# Allegro board BRD_05101_01_rev_b01_aa.brd (continued)
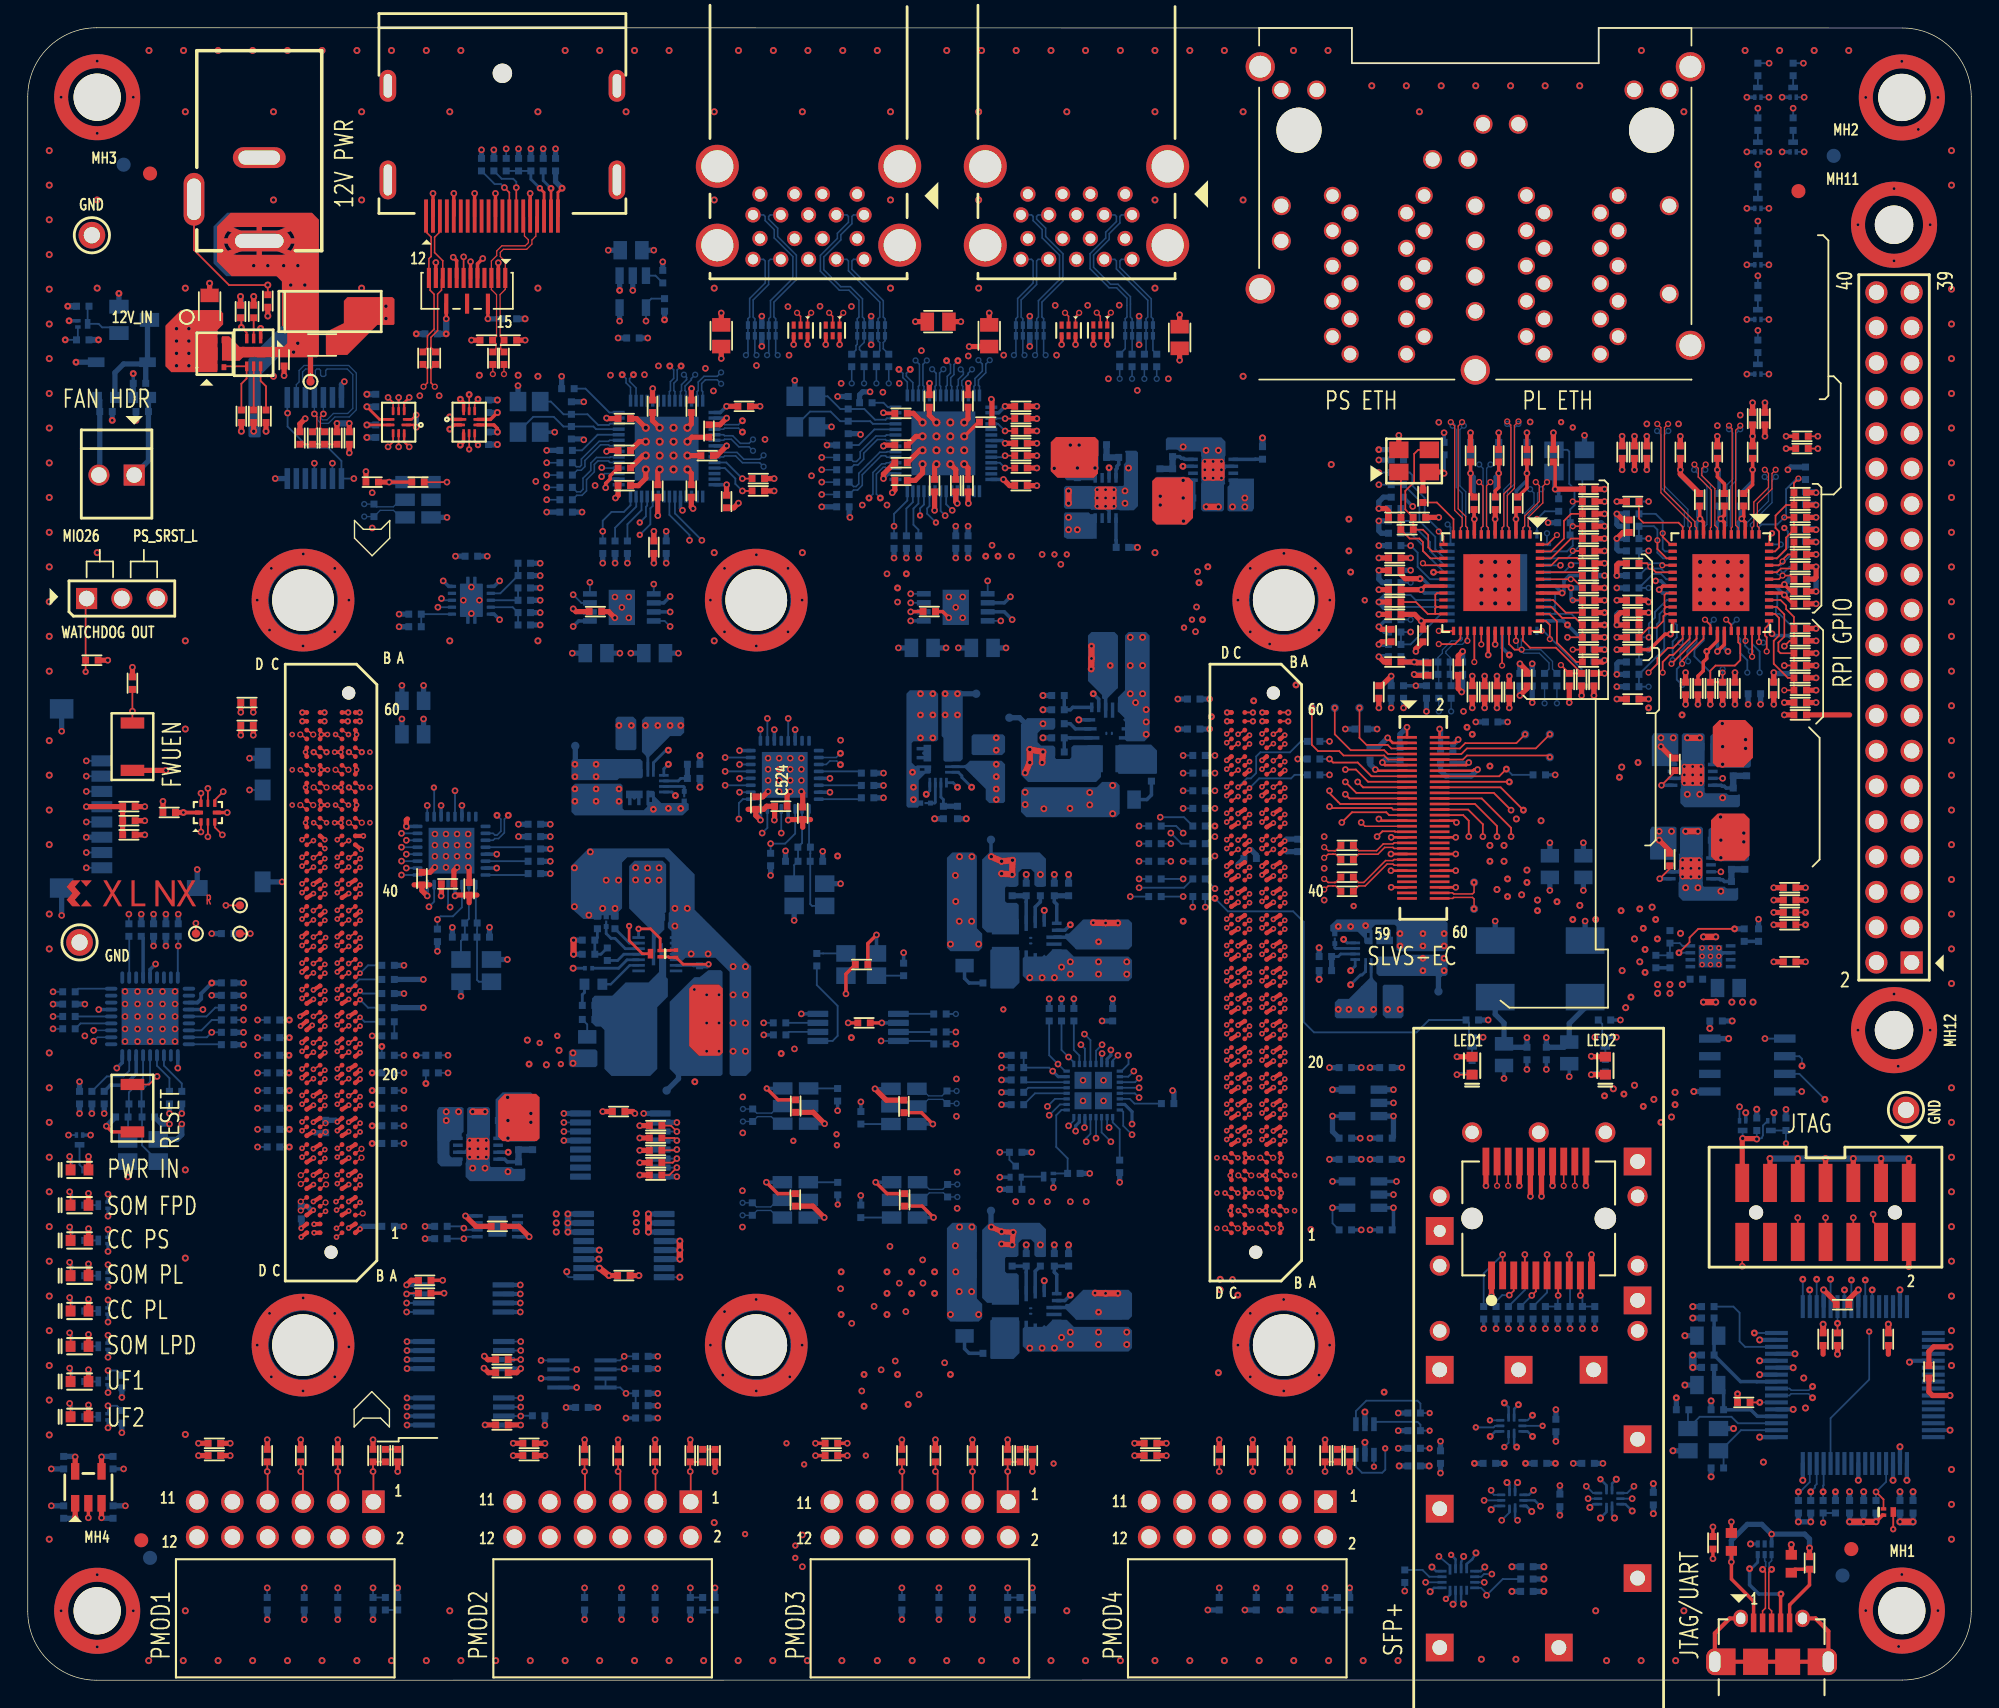
[diagram p0: board, top side]
## Routing (per net, layer and track width the routed paths; a pad name or vN(x,y) marks a point on that pad's centre or on a via; arc(x,y) is an arc through that point) (continued)
USB0_USB3320_D_P: length 70.9
  L03_SIG w0.112: v2(33.8,62.28) 34.08,62.56 34.08,67.08 39.06,72.06 52.14,72.06 58.24,78.16 58.24,88.94 57.73,89.45 54.89,89.45 54,88.57 51.5,88.57 49.09,90.98 43.84,90.98 43.35,90.49 43.35,87.83 43.14,87.62 43.14,87.44 43.32,87.25 43.32,87.07 43.19,86.94 43.01,86.94 42.82,87.12 42.64,87.12 42.39,86.87 41.53,86.87 v5(41.33,86.67)
  BOTTOM w0.114: U43.45 41.55,86.89 v5(41.33,86.67) ; U37.18 33.52,60.99 33.65,60.86 33.81,60.86 34.08,61.14 34.08,62 v2(33.8,62.28)
USB0_VBUS2: length 2.7
  TOP w0.254: X6.6 v5(56.17,96.19)
  TOP w0.381: C274.1 v5(63.94,97.84)
  BOTTOM w0.254: v5(46.27,76.93) U45.7
USB0_VBUS3: length 2.9
  TOP w0.254: X5.6 v5(58.48,96.19)
  TOP w0.381: C272.1 v5(49.96,98.46)
  BOTTOM w0.254: U45.6 45.81,77.58 v5(46.27,78.04)
USB1_ATEST: length 3.8
  BOTTOM w0.132: R441.1 59.86,88.95 60.99,90.07 U84.52
USB1_CFG_BC_EN: length 3.5
  BOTTOM w0.132: R438.1 64.16,82.43 64.16,82.85 63.8,83.21 63.8,84.37 64.16,84.73 U84.40
USB1_CFG_NON_REM: length 3.4
  BOTTOM w0.132: R439.1 63.29,84.37 63.76,84.84 U84.41
USB1_D1_N: length 28.9
  TOP w0.114: v3(75.74,98.47) 75.48,98.21 X8.1
  L03_SIG w0.112: v2(63.57,94.4) 63.29,94.68 63.29,98.3 64.16,99.17 69.51,99.17 71.76,96.91 74.31,96.91 75.36,97.96 75.36,98.36 75.47,98.47 v3(75.74,98.47) 75.37,98.84 75.37,100.38 74.58,101.18 74.58,102.62 75.78,103.82 U46.11
  BOTTOM w0.114: v2(63.57,94.4) 63.29,94.12 63.29,93.91 63.76,93.44 U84.2
USB1_D1_P: length 28.9
  TOP w0.114: v3(74.72,98.47) 74.98,98.22 X8.2
  L03_SIG w0.112: v2(62.76,94.4) 63.04,94.68 63.04,95.07 62.91,95.21 62.71,95.21 62.58,95.34 62.58,95.52 62.71,95.65 62.91,95.65 63.04,95.78 63.04,95.97 62.91,96.1 62.71,96.1 62.58,96.23 62.58,96.42 62.71,96.55 62.91,96.55 63.04,96.68 63.04,98.41 64.06,99.42 69.61,99.42 71.87,97.17 74.2,97.17 75.1,98.07 75.1,98.36 74.99,98.47 v3(74.72,98.47) 75.12,98.87 75.12,100.28 74.32,101.07 74.32,102.72 74.55,102.95 U46.12
  BOTTOM w0.114: U84.1 63.36,93.49 63.04,93.81 63.04,94.12 v2(62.76,94.4)
USB1_D2_N: length 33.6
  TOP w0.114: v3(78.02,98.48) 77.76,98.22 X7.1
  L03_SIG w0.112: U46.2 75.79,107.02 75.68,106.91 75.68,106.75 76.22,106.2 76.8,106.2 77.16,106.56 78.21,106.56 78.67,106.1 78.67,104.87 78.13,104.33 78.13,103.44 78.67,102.91 78.67,101.21 77.64,100.18 77.64,98.87 v3(78.02,98.48) 77.76,98.48 77.64,98.37 77.64,98.11 76.24,96.71 76.24,95.57 75.11,94.44 72.25,94.44 69.88,96.81 66.97,96.81 66.72,96.56 66.72,95.3 v2(67,95.02)
  BOTTOM w0.114: v2(67,95.02) 66.72,94.74 66.72,94.03 66.49,93.79 66.49,93.25 66.56,93.18 U84.9
USB1_D2_P: length 33.6
  TOP w0.114: v3(77.01,98.48) 77.26,98.23 X7.2
  L03_SIG w0.112: U46.3 75.31,107.02 75.42,106.91 75.42,106.65 76.12,105.95 76.9,105.95 77.26,106.31 78.1,106.31 78.41,106 78.41,104.97 77.88,104.44 77.88,103.34 78.41,102.8 78.41,101.32 77.38,100.29 77.38,98.85 v3(77.01,98.48) 77.28,98.48 77.39,98.37 77.39,98.21 75.99,96.81 75.99,95.67 75.01,94.69 72.35,94.69 69.98,97.06 66.86,97.06 66.47,96.67 66.47,95.3 v2(66.19,95.02)
  BOTTOM w0.114: U84.8 66.16,93.18 66.23,93.25 66.23,93.89 66.47,94.13 66.47,94.74 v2(66.19,95.02)
USB1_HUB_I2C_SCK: length 63.6
  TOP w0.132: R58.2 46.23,36.38 v5(46.76,36.91)
  L05_SIG w0.102: v5(46.76,36.91) 49.1,39.26 49.1,44.21 48.41,44.9 48.41,47.49 48.94,48.03 52.6,48.03 59.99,55.42 59.99,80.69 61.01,81.71 63.76,81.71 v6(65.42,83.37)
  BOTTOM w0.127: U18.7 v5(46.76,36.91)
  BOTTOM w0.132: U84.38 64.96,84.56 64.79,84.39 64.79,84.01 v6(65.42,83.37)
USB1_HUB_I2C_SDA: length 61.5
  TOP w0.132: v5(46.76,37.56) 46.46,37.27 R63.2
  L05_SIG w0.102: v5(46.76,37.56) 48.59,39.39 48.59,43.94 47.98,44.55 47.98,47.77 48.71,48.51 52.07,48.51 59.36,55.8 59.36,81.03 60.54,82.22 62.62,82.22 v6(64.28,83.88)
  BOTTOM w0.127: U18.6 v5(46.76,37.56)
  BOTTOM w0.132: U84.39 64.56,84.67 64.28,84.39 v6(64.28,83.88)
USB1_HUB_RESET_B: length 66
  L05_SIG w0.102: v5(78.53,45) 78.15,44.62 77.26,44.62 76.75,45.13 76.75,45.89 77.01,46.15 77.01,47.16 76.75,47.42 76.75,50.34 76.63,50.47 76.63,53.51 77.21,54.1 77.21,60.45 78.91,62.15 78.91,65.71 81.45,68.25 81.45,70.15 84.71,73.4 84.71,75.54 v6(83.87,76.37)
  L12_SIG w0.102: v5(62.4,83.11) 63.8,83.11 68.25,78.66 81.58,78.66 v6(83.87,76.37)
  BOTTOM w0.127: U19.32 78.15,44.63 v5(78.53,45)
  BOTTOM w0.132: U84.42 63.36,84.95 62.4,83.99 v5(62.4,83.11) R435.2
USB1_PHY_RESET_B: length 38.7
  L12_SIG w0.102: v5(73.45,41.32) 72.44,42.34 72.44,47.16 70.79,48.81 69.01,48.81 67.48,50.34 67.48,53.13 64.63,55.99 57.26,55.99 53.51,59.74 v5(53.51,60.25)
  BOTTOM w0.127: U19.19 74,41.86 v5(73.45,41.32)
  BOTTOM w0.132: R431.2 v5(53.51,60.25) 54.56,60.25 55.28,60.97 U83.27
USB1_PRT_CTL1: length 19.3
  L03_SIG w0.102: v5(63.6,77.59) 64.55,78.53 67.85,78.53 v5(70.09,76.29)
  L05_SIG w0.102: v5(63.6,77.59) 63.17,78.03 63.17,78.73 65.96,81.52 65.96,83.74 v5(66.09,83.87)
  BOTTOM w0.127: U47.8 v5(70.09,76.29) ; U47.3 v5(63.6,77.59)
  BOTTOM w0.132: U84.36 65.76,84.19 v5(66.09,83.87)
USB1_PRT_CTL2: length 16.6
  L03_SIG w0.102: v5(69.15,79.17) 64.53,79.17 v5(63.6,78.24)
  L05_SIG w0.102: v5(66.59,84.25) 66.59,83.49 66.34,83.23 66.34,80.97 v5(63.6,78.24)
  BOTTOM w0.127: U47.4 v5(63.6,78.24) ; U47.5 v5(69.15,79.17)
  BOTTOM w0.132: v5(66.59,84.25) 66.16,84.68 U84.35
USB1_RBIAS: length 1.8
  BOTTOM w0.132: R440.1 61.64,91.99 61.96,91.67 U84.56
USB1_SSRX1_N: length 19.2
  L12_SIG w0.112: v4(71.04,95.42) 71.29,95.68 71.29,95.83 71.07,96.06 69.96,96.06 69.48,96.54 66.61,96.54 66.41,96.33 66.41,96.17 66.63,95.94 66.63,95.79 66.47,95.63 66.32,95.63 66.09,95.85 65.93,95.85 65.68,95.6 65.68,94.69 v4(65.96,94.41)
  BOTTOM w0.114: v4(65.96,94.41) 65.69,94.13 65.69,93.25 65.76,93.18 U84.7 ; v4(71.04,95.42) 71.18,95.57 U69.10 U69.1 71.18,98.05 71.31,98.17 71.31,99.5 72.42,100.62 72.42,102.21 72.31,102.32 U46.14
USB1_SSRX1_P: length 19.3
  L12_SIG w0.112: v4(71.8,95.42) 71.55,95.68 71.55,95.93 71.17,96.31 70.06,96.31 69.58,96.79 66.51,96.79 65.43,95.71 65.43,94.69 v4(65.15,94.41)
  BOTTOM w0.114: v4(65.15,94.41) 65.43,94.12 65.43,93.25 65.36,93.18 U84.6 ; U46.15 72.79,102.32 72.67,102.21 72.67,100.51 71.56,99.4 71.56,98.17 71.68,98.05 U69.2 U69.9 71.68,95.54 v4(71.8,95.42)
USB1_SSRX2_N: length 21.4
  L12_SIG w0.112: v4(69.3,95.06) 69.02,94.78 69.02,94.62 69.13,94.51 69.73,94.51 69.84,94.62 69.84,94.75 69.95,94.86 70.17,94.86 70.28,94.75 70.28,94.62 70.4,94.51 70.62,94.51 70.73,94.62 70.73,94.75 70.85,94.86 71.06,94.86 71.18,94.74 71.18,94.62 71.29,94.51 72.55,94.51 72.82,94.78 72.82,95.17 v4(72.56,95.42)
  BOTTOM w0.114: U46.5 72.31,105.52 72.42,105.41 72.42,105.12 73.07,104.46 73.07,103.87 74.32,102.62 74.32,100.86 72.81,99.35 72.81,98.17 72.68,98.05 U69.4 U69.7 72.68,95.54 v4(72.56,95.42) ; U84.14 68.56,93.18 68.49,93.25 68.49,93.63 69.02,94.16 69.02,94.78 v4(69.3,95.06)
USB1_SSRX2_P: length 21.4
  L12_SIG w0.112: v4(73.33,95.42) 73.07,95.17 73.07,94.68 72.65,94.26 69.02,94.26 68.76,94.52 68.76,94.78 v4(68.48,95.06)
  BOTTOM w0.114: U84.13 68.16,93.18 68.23,93.25 68.23,93.74 68.76,94.27 68.76,94.78 v4(68.48,95.06) ; U46.6 72.79,105.52 72.67,105.41 72.67,105.22 73.33,104.57 73.33,103.97 74.57,102.73 74.57,100.76 73.06,99.25 73.06,98.17 73.18,98.05 U69.5 U69.6 73.18,95.57 v4(73.33,95.42)
USB1_SSTX1_C_N: length 8.7
  BOTTOM w0.114: C302.1 80.56,95.61 U68.7 U68.4 80.56,98.05 80.68,98.17 80.68,99.38 78.42,101.63 78.42,102.21 78.31,102.32 U46.17
USB1_SSTX1_C_P: length 8.7
  BOTTOM w0.114: C306.1 81.06,95.76 U68.6 U68.5 81.06,98.05 80.93,98.17 80.93,99.48 78.67,101.74 78.67,102.21 78.79,102.32 U46.18
USB1_SSTX1_N: length 28.5
  L12_SIG w0.112: v4(64.77,95.04) 64.49,94.76 64.49,92.83 64.72,92.6 64.88,92.6 65.14,92.85 65.29,92.85 65.45,92.69 65.45,92.53 65.2,92.28 65.2,92.12 65.45,91.87 67.99,91.87 69.13,93.01 73.71,93.01 76.5,90.22 80.44,90.22 80.76,90.53 80.76,93.4 v4(80.44,93.72)
  BOTTOM w0.114: U84.4 64.56,93.18 64.49,93.25 64.49,94.76 v4(64.77,95.04) ; v4(80.44,93.72) C302.2
USB1_SSTX1_P: length 28.5
  L12_SIG w0.112: v4(81.33,93.72) 81.01,93.4 81.01,90.43 80.54,89.96 76.4,89.96 73.6,92.76 69.24,92.76 68.1,91.61 65.35,91.61 64.23,92.73 64.23,94.76 v4(63.95,95.04)
  BOTTOM w0.114: v4(63.95,95.04) 64.23,94.76 64.23,93.25 64.16,93.18 U84.3 ; v4(81.33,93.72) C306.2
USB1_SSTX2_C_N: length 13.2
  BOTTOM w0.114: C301.2 79.06,95.89 U68.10 U68.1 79.06,98.05 79.18,98.17 79.18,99.53 78.43,100.27 77.9,100.27 76.53,101.64 76.53,102.73 77.65,103.86 77.65,104.28 78.42,105.05 78.42,105.41 78.31,105.52 U46.8
USB1_SSTX2_C_P: length 13.1
  BOTTOM w0.114: C305.2 79.56,95.5 U68.9 U68.2 79.56,98.05 79.43,98.17 79.43,99.63 78.54,100.53 78,100.53 76.78,101.75 76.78,102.63 77.9,103.75 77.9,104.17 78.67,104.94 78.67,105.41 78.79,105.52 U46.9
USB1_SSTX2_N: length 18.7
  L12_SIG w0.112: v4(68.02,94.4) 67.67,94.05 67.67,93.92 67.29,93.53 67.29,93.18 67.54,92.92 67.98,92.92 68.32,93.26 68.32,93.41 68.18,93.55 68.18,93.7 68.34,93.86 68.5,93.86 68.63,93.73 68.79,93.73 68.81,93.75 74.49,93.75 75.57,92.68 78.64,92.68 78.98,93.02 78.98,93.4 v4(78.66,93.72)
  BOTTOM w0.114: v4(68.02,94.4) 67.74,94.12 67.74,94.03 67.29,93.57 67.29,93.25 67.36,93.18 U84.11 ; v4(78.66,93.72) C301.1
USB1_SSTX2_P: length 18.9
  L12_SIG w0.112: v4(79.55,93.72) 79.23,93.4 79.23,92.91 78.74,92.42 75.46,92.42 74.39,93.5 68.92,93.5 68.08,92.67 67.44,92.67 67.03,93.07 67.03,93.64 67.42,94.02 67.42,94.18 v4(67.21,94.4)
  BOTTOM w0.114: U84.10 66.96,93.18 67.03,93.25 67.03,93.68 67.4,94.04 67.4,94.2 v4(67.21,94.4) ; v4(79.55,93.72) C305.1
USB1_USB3320_D_N: length 27.2
  L03_SIG w0.112: v2(58.54,65.93) 58.26,66.21 58,66.21 57.2,67.02 57.2,71.37 60.88,75.06 60.88,84.86 v2(60.6,85.14)
  BOTTOM w0.114: U84.46 61.86,87.67 61.78,87.6 61.52,87.6 60.88,86.97 60.88,85.42 v2(60.6,85.14) ; v2(58.54,65.93) 58.28,66.2 57.77,66.2 57.53,65.95 U83.19
USB1_USB3320_D_P: length 27.2
  L03_SIG w0.112: v2(61.42,85.14) 61.14,84.86 61.14,84.17 61.27,84.04 61.39,84.04 61.52,83.91 61.52,83.72 61.39,83.59 61.27,83.59 61.14,83.46 61.14,83.28 61.27,83.15 61.39,83.15 61.52,83.02 61.52,82.83 61.39,82.7 61.27,82.7 61.14,82.57 61.14,74.95 57.45,71.27 57.45,67.12 58.11,66.47 58.26,66.47 v2(58.54,66.75)
  BOTTOM w0.114: U83.18 58.24,66.45 v2(58.54,66.75) ; v2(61.42,85.14) 61.13,85.42 61.13,86.86 61.62,87.35 61.78,87.35 61.86,87.27 U84.45
USB1_VBUS1: length 3.5
  TOP w0.254: X8.6 v5(75.48,96.19)
  TOP w0.381: C294.1 v5(82.98,98.33)
  BOTTOM w0.254: v5(70.91,76.37) 70.35,76.94 U47.7
USB1_VBUS2: length 3.3
  TOP w0.254: X7.6 v5(77.76,96.2)
  TOP w0.381: C293.1 v5(69.26,98.46)
  BOTTOM w0.254: v5(70.79,78.02) 70.35,77.59 U47.6
USB_JTAG_DM_N: length 37.7
  TOP w0.114: J4.2 124.97,4.99 125.17,5.19 125.17,7.78 v2(124.97,7.98)
  L03_SIG w0.112: v2(128.57,20.34) 128.29,20.62 126.54,20.62 124.89,18.97 121.84,18.97 119.81,16.94 119.81,6.78 120.82,5.76 123.02,5.76 123.15,5.89 123.15,6.1 123.28,6.23 123.47,6.23 123.6,6.1 123.6,5.89 123.73,5.76 123.92,5.76 124.05,5.89 124.05,6.1 124.18,6.23 124.36,6.23 124.49,6.1 124.49,5.89 124.62,5.76 124.89,5.76 125.17,6.04 125.17,7.78 v2(124.97,7.98)
  BOTTOM w0.114: X1.2 125.12,8.6 125.2,8.53 125.2,8.2 v2(124.97,7.98) ; v2(128.57,20.34) 128.28,20.63 127.03,20.63 126.91,20.51 U24.7
USB_JTAG_DM_P: length 37.7
  TOP w0.114: v2(125.62,7.98) 125.42,7.78 125.42,5.19 125.62,4.99 J4.3
  L03_SIG w0.112: v2(125.62,7.98) 125.42,7.78 125.42,5.94 124.99,5.51 120.72,5.51 119.55,6.67 119.55,17.04 121.73,19.22 124.78,19.22 126.43,20.87 128.29,20.87 v2(128.57,21.15)
  BOTTOM w0.114: U24.8 126.92,21.01 127.04,20.88 128.3,20.88 v2(128.57,21.15) ; v2(125.62,7.98) 125.45,8.16 125.45,8.44 125.62,8.61 X1.1
USB_JTAG_FLTR: length 2.5
  TOP w0.254: C87.1 v5(121.4,11.04) ; L4.1 v5(122.72,11.4)
  BOTTOM w0.254: C89.1 R40.1
  vias: v7(122.76,48.83) v7(123.52,48.83) v7(124.28,48.83)
USB_JTAG_VBUS: length 15.9
  TOP w0.254: J4.1 124.32,5.69 122.73,7.29 122.73,8.51 v5(122.72,8.52) L4.2
  TOP w0.381: C88.1 v7(128.35,9.53)
  BOTTOM w0.254: X1.6 v5(125.62,10.52)
  BOTTOM w0.381: v5(122.72,8.52) 122.72,10.07 123.87,11.22 124.92,11.22 v5(125.62,10.52) 128,10.52 128.35,10.17 v7(128.35,9.53)
USB_JTAG_VCORE: length 7.9
  TOP w0.381: C96.1 129.33,23.48 ; C97.1 134.03,23.48
  BOTTOM w0.305: U24.37 135.66,23.01 v7(135.56,22.91) ; U24.49 v7(135.37,14.4) ; U24.64 v7(127.87,14.4) ; U24.12 v7(124.76,23.01)
  BOTTOM w0.381: C98.1 v7(131.24,13.57) ; C95.1 v7(135.81,13.57)
USB_JTAG_VPHY: length 7.3
  BOTTOM w0.254: L2.2 122.16,20.9 C82.1 124.13,19.48 124.6,19.01 U24.4
  BOTTOM w0.305: C83.1 121.48,21.59 L2.2
USB_JTAG_VPLL: length 8.2
  BOTTOM w0.254: U24.9 125.96,21.5 124.55,21.5 124.54,21.51 123.39,21.51 C84.1 121.48,24.48 L3.2 121.48,25.14 C85.1
USB_PWRD_VCCIO: length 38.8
  TOP w0.381: C94.1 130.28,27.2 v7(129.37,28.11) ; R235.1 v7(130.37,23.48) ; C93.1 136.95,20.76 137.21,20.51 v7(138.47,20.51)
  BOTTOM w0.178: U64.7 114.13,14.17 v7(114.44,14.47) ; v2(107.26,16.79) 107.07,16.98 U71.1 ; v7(107.32,14.24) 107.14,14.06 U25.7 ; v2(108.4,17.56) 108.04,17.92 U71.10 ; U22.4 103.66,8.37 104.06,8.71 v7(104.33,9.17) ; v2(106.37,19.97) 106.67,19.66 U71.6 ; U22.3 103.26,8.51 v7(103.44,8.91) ; v2(107.38,19.84) 107.07,19.53 U71.7 ; v7(115.58,12.19) 115.09,12.68 U64.10
  BOTTOM w0.203: v7(108.34,12.15) 107.94,12.55 U25.10
  BOTTOM w0.254: R36.1 C44.1
  BOTTOM w0.305: U24.56 v7(131.87,14.4) ; U24.50 v7(134.87,16.81) ; U24.31 v7(134.87,28.11) ; U24.20 v7(129.37,28.11) ; U24.42 v7(138.47,20.51)
  BOTTOM w0.381: L2.1 v7(119.38,21.26) ; C80.1 v7(106.92,8.17) ; U26.8 v7(122.53,46.2) ; C100.1 v5(101.77,14.92) ; C86.1 v7(121.17,46.94) ; C355.1 v7(134.87,13.57) ; C90.1 v7(132.25,13.57) ; C356.1 v5(110.08,17.2) ; R75.1 v7(119.95,26.91) ; C105.1 v7(117.1,12) ; C102.1 v7(98.79,15.43) ; R233.1 v5(126.66,41.1) ; R77.1 v7(127.55,11.41) v7(128.44,11.41) R76.1 ; R234.1 v7(124.55,41.12) ; L3.1 v7(119.38,24.81) ; R267.1 v5(98.73,17.97) ; U23.5 v7(96.33,17.13) ; R74.1 v2(130.22,13.57) ; R268.1 v5(98.73,16.7) ; C99.1 v5(113.47,15.62) ; R266.1 v5(98.73,19.24) ; C101.1 v2(106.37,15.62)
  vias: v7(117.41,50.1) v7(117.41,49.47) v7(118.3,50.1) v7(118.3,49.47) v7(119.19,50.1)
UTIL_3V3: length 211
  TOP w0.381: DS5.2 v5(4.37,27.44) ; DS3.2 v5(4.37,32.52) ; C49.1 v2(41.86,29.14) ; v5(112.63,44.94) 112.67,44.9 DS10.2 ; DS4.2 v5(4.37,29.98) ; DS1.2 v5(4.37,37.71) ; DS6.2 v5(4.37,24.9) ; DS7.2 v5(4.37,22.36) ; DS9.2 v5(102.95,44.9) ; DS2.2 v5(4.37,35.06) ; DS8.2 v5(4.37,19.82)
  TOP w0.457: v7(41.17,29.68) v2(41.86,29.14) ; v7(34.59,40.31) v7(34.57,41.97) ; v7(36.24,40.18) v7(36.24,40.81)
  L03_SIG w0.254: v5(4.37,37.71) 3.69,38.4 2.59,38.4 2.13,38.85 2.13,43.82 3.04,44.73 3.04,51.03 2.31,51.76 2.31,53.6 3.5,54.79 3.5,56.86 2.79,57.57 2.79,66.82 4.02,68.05 4.02,69.78 2.46,71.33 2.46,91.87 4.11,93.52 4.11,97.72 v2(2.88,98.95)
  L05_SIG w0.381: v5(112.63,44.94) 109.51,48.05 107.87,48.05 104.72,44.9 v5(102.95,44.9) 102.95,44.86 100.38,42.28 100.38,23.41 v2(97.71,20.75) 98.27,20.19 99.31,20.19 99.88,19.62 99.88,15.29 97.16,12.57 97.16,5.72 95.94,4.49 80.35,4.49 75.85,9 75.85,10.9 72.42,14.33 58.57,14.33 57.76,15.14 57.76,17.09 59.06,18.39 59.06,22.8 60.03,23.78 60.03,29.41 55.15,34.3 v6(55.15,38.84)
  BOTTOM w0.254: v7(36.24,40.81) 35.86,40.81 35.61,41.07 TP7.1
  BOTTOM w0.381: U14.10 v7(41.17,29.68)
  BOTTOM w0.457: R260.1 v2(2.88,98.95)
  vias: v7(34.59,39.04)
WATCHDOG_CRST: length 3
  BOTTOM w0.132: U13.4 34.93,77.27 R49.2 C52.1
WATCHDOG_CWD: length 3.4
  BOTTOM w0.132: U13.2 34.04,78.27 R48.2 C51.1
WATCHDOG_SET0: length 2.9
  BOTTOM w0.132: U13.3 R47.2 R51.1
WATCHDOG_SET1: length 3.1
  BOTTOM w0.132: U13.6 R46.2 R50.1
WATCHDOG_WDO_B: length 35.6
  L12_SIG w0.102: J1.2 6.78,80.31 11.35,84.88 22.83,84.88 24.25,86.3 24.99,86.3 26.03,85.26 28.14,85.26 29.26,84.15 29.26,78.44 v5(29.8,77.9)
  BOTTOM w0.132: U13.8 29.93,77.77 v5(29.8,77.9)
N1061928: length 2.9
  BOTTOM w0.132: U22.15 100.96,7.45 100.48,7.94 R66.1
N1062590: length 7.1
  TOP w0.254: J4.4 126.27,6.19 v2(126.29,6.21)
  BOTTOM w0.203: X1.3 124.62,8.49 124.16,8.03 v2(124.03,8.03)
  BOTTOM w0.254: v2(124.03,8.03) 124.03,6.87 124.7,6.21 v2(126.29,6.21)
N1063364: length 5.9
  TOP w0.254: J4.5 126.92,5.43 128.35,6.86 C88.2 127.29,7.99 L5.2
N1063872: length 6.9
  BOTTOM w0.132: U24.14 123.71,24.01 123.31,24.41 123.31,26.46 122.87,26.91 R75.2
N1063914: length 43.5
  L05_SIG w0.102: v6(129.33,11.35) 128.32,12.37 127.52,12.37 126.5,13.38 126.5,15.11 136.41,25.02 136.41,33.66 131.71,38.35 131.2,38.35 128.32,41.24 128.32,41.87 v5(127.79,42.39)
  BOTTOM w0.132: U26.4 v5(127.79,42.39) ; v6(129.33,11.35) R78.1 R74.2
N1063918: length 46.2
  L05_SIG w0.102: v2(128.44,13.57) 138.06,23.18 138.06,37.47 136.41,39.12 132.85,39.12 130.31,41.66 130.31,42.59 129.42,43.48 128.57,43.48 v2(127.81,44.24)
  BOTTOM w0.132: U26.2 127.62,44.93 127.81,44.75 v2(127.81,44.24) ; R76.2 v2(128.44,13.57) 128.75,13.88 128.75,14.01 128.87,14.12 U24.62
N1063922: length 48.1
  L05_SIG w0.102: v5(125.14,46.2) 127.17,44.17 127.17,43.73 128.82,42.08 128.82,41.62 132.22,38.23 133.87,38.23 137.04,35.05 137.04,23.62 128.91,15.49 127.77,15.49 127.01,14.74 127.01,14.1 v2(127.55,13.57)
  BOTTOM w0.132: U24.63 128.37,14.27 127.67,13.57 127.55,13.57 v2(127.55,13.57) R77.2 ; U26.1 v5(125.14,46.2)
N1064088: length 45.9
  L05_SIG w0.102: v2(129.33,13.57) 128.76,13 128.19,13 127.99,13.2 127.99,13.81 137.55,23.38 137.55,37.08 136.03,38.61 132.68,38.61 v2(129.46,41.83)
  BOTTOM w0.132: v2(129.46,41.83) 127.62,43.66 U26.3 ; R78.2 v2(129.33,13.57) 129.33,14.01 129.37,14.05 U24.61
N1064220: length 6.2
  BOTTOM w0.132: C103.1 122.16,16.16 X2.1 121.93,16.52 123.42,18.01 U24.2
N1064316: length 8.3
  BOTTOM w0.132: U24.3 123.19,18.51 122.73,18.97 120.44,18.97 119.6,18.12 119.6,19.42 C104.1
N1064420: length 1.9
  TOP w0.132: R79.2 v2(124.77,20.01)
  BOTTOM w0.132: U24.6 v2(124.77,20.01)
N1366089: length 9
  BOTTOM w0.381: 8.5,94.79 6.9,94.79 6.28,94.16 L9.2 ; 8.5,94.79 D2.2 8.63,97.82 Q18.3 ; 8.5,94.79 8.5,94.79 C208.2
N1592727: length 2.7
  TOP w0.132: R170.2 22.27,89 R172.1 R173.1 R171.1
N1690498: length 2
  BOTTOM w0.132: R157.1 3.73,37.12 Q6.3
N1690502: length 2
  TOP w0.132: DS1.1 3.08,37.65 v5(3.02,37.71)
  BOTTOM w0.132: v5(3.02,37.71) 3.2,37.53 R157.2
N1690608: length 1
  BOTTOM w0.132: R158.1 Q7.3
N1690612: length 2
  TOP w0.132: DS2.1 3.08,35.11 v5(3.02,35.17)
  BOTTOM w0.132: R158.2 3.2,34.99 v5(3.02,35.17)
N1690718: length 1
  BOTTOM w0.132: R159.1 Q8.3
N1690722: length 2
  TOP w0.132: DS3.1 3.08,32.57 v5(3.02,32.63)
  BOTTOM w0.132: R159.2 3.2,32.45 v5(3.02,32.63)
N1690828: length 1
  BOTTOM w0.132: R160.1 Q9.3
N1690832: length 2
  TOP w0.132: DS4.1 3.08,30.03 v5(3.02,30.09)
  BOTTOM w0.132: R160.2 3.2,29.91 v5(3.02,30.09)
N1690938: length 1
  BOTTOM w0.132: R161.1 Q10.3
N1690942: length 2
  TOP w0.132: DS5.1 3.08,27.49 v5(3.02,27.55)
  BOTTOM w0.132: v5(3.02,27.55) 3.2,27.37 R161.2
N1766802: length 3.2
  BOTTOM w0.178: U6.2 43.36,51.48 42,50.12 R33.1
N1766806: length 1.6
  BOTTOM w0.203: R33.2 40.1,49.53 39.95,49.37 C37.1
N1766990: length 4.5
  TOP w0.203: v6(44,54.11) 44.87,54.11 45.56,53.42 Q21.2 45.99,52.54 46,52.56 46.28,52.56 46.3,52.57 R265.2
  BOTTOM w0.203: U6.7 v6(44,54.11)
N1767106: length 3
  BOTTOM w0.203: R31.1 41.03,53.48 R30.2 C39.2 41.29,52.28 41.74,52.73 R32.2
N1767370: length 1.4
  BOTTOM w0.132: R223.1 40.3,47.23 C319.2
N1784249: length 2.4
  BOTTOM w0.203: 79.8,63.42 R225.1
  BOTTOM w0.254: C321.2 80.95,63.75 80.62,63.42 79.8,63.42
N2198627: length 1
  BOTTOM w0.132: R254.1 Q17.3
N2198631: length 2
  TOP w0.132: DS6.1 3.08,24.95 v5(3.02,25.01)
  BOTTOM w0.132: v5(3.02,25.01) 3.2,24.83 R254.2
N2390901: length 3.8
  BOTTOM w0.132: R260.2 4.31,98.85 Q20.3 5.11,97.67 5.36,97.42 6.16,97.42 6.57,97.01
N2549814: length 1
  BOTTOM w0.132: C344.1 R264.2
N3370406: length 2.4
  BOTTOM w0.203: 67.48,24.68 R224.1
  BOTTOM w0.254: C320.2 67.81,23.54 67.48,23.87 67.48,24.68
N3379104: length 2.4
  BOTTOM w0.203: 67.48,51.35 R293.1
  BOTTOM w0.254: 67.48,51.35 67.48,50.54 67.81,50.21 C386.2
N3431689: length 0.9
  TOP w0.127: R274.1 C370.1
N3431725: length 0.9
  BOTTOM w0.132: R275.1 C371.1
N3433845: length 3.5
  TOP w0.203: v2(37.69,107.43) J6.19
  BOTTOM w0.203: R200.1 37.13,107.99 v2(37.69,107.43)
N3434397: length 4.3
  TOP w0.127: v5(34.34,107.49) 34.69,107.13 J6.13
  BOTTOM w0.132: v5(34.34,107.49) 34.08,107.74 33.63,107.74 R203.1
N3434417: length 4.4
  TOP w0.127: J6.14 v5(35.19,107.49)
  BOTTOM w0.132: R202.1 34.14,108.12 34.97,108.12 35.19,107.9 v5(35.19,107.49)
N3438297: length 0.9
  TOP w0.127: C388.1 R296.1
N3438309: length 0.9
  BOTTOM w0.132: C389.1 R297.1
N3441577: length 0.9
  TOP w0.127: R306.1 C400.1
N3441589: length 0.9
  BOTTOM w0.132: R307.1 C401.1
N3442529: length 0.9
  TOP w0.127: R316.1 C412.1
N3442541: length 0.9
  BOTTOM w0.132: R317.1 C413.1
N3463703: length 3.9
  BOTTOM w0.132: U16.7 U16.8 42.67,21.08 v5(43.1,20.66) R54.2 C73.1
N3465992: length 2.4
  TOP w0.132: R61.2 46.34,39.94 v5(46.76,39.51)
  BOTTOM w0.132: U18.3 v5(46.76,39.51)
N3548094: length 4.4
  BOTTOM w0.132: R428.1 5.69,43.48 6.9,43.48 7.31,43.89 U38.35
N3631918: length 1
  BOTTOM w0.132: R294.1 Q22.3
N3631922: length 2
  TOP w0.132: v5(3.02,22.47) 3.08,22.41 DS7.1
  BOTTOM w0.132: v5(3.02,22.47) 3.2,22.29 R294.2
N3632030: length 1
  BOTTOM w0.132: R295.1 Q23.3
N3632034: length 2
  TOP w0.132: DS8.1 3.08,19.87 v5(3.02,19.93)
  BOTTOM w0.132: R295.2 3.2,19.75 v5(3.02,19.93)
N3638229: length 2.1
  TOP w0.132: v5(27.29,27.82) 27.35,27.87 R349.1
  BOTTOM w0.127: U76.7 v5(27.29,27.82)
N3638972: length 1
  BOTTOM w0.132: R345.1 Q25.3
N3638976: length 2.2
  TOP w0.127: DS9.1 v5(102.95,43.61)
  BOTTOM w0.132: v5(102.95,43.61) 103.07,43.73 R345.2
N3639084: length 0.9
  BOTTOM w0.132: R346.1 Q26.3
N3639088: length 2.1
  TOP w0.381: DS10.1 v5(112.63,43.61)
  BOTTOM w0.132: R346.2 112.82,43.8 v5(112.63,43.61)
N3854583: length 3.1
  BOTTOM w0.127: R451.2 79.73,41.52 79.39,41.86 U19.6
N3854590: length 3.3
  BOTTOM w0.127: R450.2 78.66,39.67 78.15,40.18 U19.9
N3854613: length 3.4
  BOTTOM w0.127: U19.20 72.56,42.26 R449.2
N3854620: length 3.2
  BOTTOM w0.127: 74.84,42.66 72.07,42.66 R448.2
N3854627: length 3.2
  BOTTOM w0.127: U19.22 71.91,43.06 R447.2
N3854951: length 3.3
  BOTTOM w0.132: R446.2 75.36,45.39 75.75,44.99 U19.26
N3917930: length 0.9
  BOTTOM w0.132: R363.1 Q27.3
N3917978: length 0.9
  BOTTOM w0.132: Q28.3 R371.1
N3921502: length 0.9
  BOTTOM w0.132: R388.1 Q29.3
N3921550: length 0.9
  BOTTOM w0.132: R400.1 Q30.3
N3924610: length 0.9
  BOTTOM w0.132: Q31.3 R413.1
N3924658: length 0.9
  BOTTOM w0.132: Q32.3 R425.1
N3928736: length 0.9
  BOTTOM w0.132: R124.1 Q3.3
N3928738: length 0.9
  BOTTOM w0.132: Q4.3 R127.1
N3957555: length 3.1
  BOTTOM w0.132: U37.24 35.95,57.99 R213.1
N3957585: length 3.1
  BOTTOM w0.132: R209.2 36.03,58.99 U37.22
N3957595: length 3.1
  BOTTOM w0.132: C278.2 35.92,59.99 U37.20
N3957977: length 6.4
  BOTTOM w0.132: X13.1 37.68,92.08 38.6,91.16 C568.1 40.32,91.16 41.09,90.39 41.86,90.39 41.95,90.49 U43.54
N3957979: length 8.1
  BOTTOM w0.132: X13.3 36.41,90.98 37.89,90.98 38.59,90.29 C569.1 40.75,90.29 40.94,90.09 U43.53
N3958007: length 3.2
  TOP w0.127: R468.1 v5(51.48,86.53)
  BOTTOM w0.132: U43.24 50.32,87.69 v5(51.48,86.53)
N3958011: length 3.6
  TOP w0.127: R469.1 v5(51.48,85.64)
  BOTTOM w0.132: v5(51.48,85.64) 50.97,86.15 50.97,86.53 50.21,87.29 U43.25
N3958031: length 5.6
  BOTTOM w0.132: X12.3 31.2,53.23 C566.1 31.48,54.52 R467.1 31.78,54.83 U37.26
N3958033: length 8
  BOTTOM w0.132: U37.25 32.28,54.63 R467.2 32.37,54.08 32.36,54.07 C567.1 32.36,50.43 32.5,50.3 X12.1
N3960985: length 3.1
  BOTTOM w0.132: U83.22 60.04,64.45 R430.2
N3961045: length 3.1
  BOTTOM w0.132: U83.20 59.93,65.45 C533.2
N3961137: length 5.6
  BOTTOM w0.132: U83.26 55.78,60.29 R470.1 55.49,59.98 C570.1 55.21,58.69 X14.3
N3961171: length 3.1
  BOTTOM w0.132: R432.1 59.95,63.45 U83.24
N3961219: length 6.4
  BOTTOM w0.132: U84.54 61.89,90.87 61.79,90.78 61.03,90.78 60.26,91.54 C572.1 58.54,91.54 57.62,92.46 X15.1
N3961321: length 8.1
  BOTTOM w0.132: X15.3 56.35,91.36 57.83,91.36 58.52,90.67 C573.1 60.69,90.67 60.88,90.47 U84.53
N3961343: length 8
  BOTTOM w0.132: X14.1 56.5,55.76 56.37,55.89 C571.1 56.37,59.53 56.38,59.54 R470.2 56.28,60.09 U83.25
N3964179: length 1.9
  TOP w0.127: R482.1 v5(70.4,89.96)
  BOTTOM w0.132: U84.18 69.89,90.47 v5(70.4,89.96)
N3964187: length 1.7
  TOP w0.127: R481.1 v5(70.4,90.85)
  BOTTOM w0.132: v5(70.4,90.85) 70.38,90.87 U84.17
N3964408: length 1.8
  TOP w0.127: R484.1 v5(70.4,87.3)
  BOTTOM w0.132: U84.25 70.03,87.67 v5(70.4,87.3)
N3964416: length 1.7
  TOP w0.127: R483.1 v5(70.4,88.18)
  BOTTOM w0.132: U84.24 70.29,88.07 v5(70.4,88.18)
N4252518: length 5.9
  TOP w0.127: J22.5 98.22,67.1 97.96,67.36 96.44,67.36 95.93,67.86 v6(95.93,70.02)
N4252522: length 7.7
  TOP w0.127: v6(94.15,70.02) 94.15,68.12 95.3,66.98 97.71,66.98 97.99,66.7 J22.7
N4252526: length 10
  TOP w0.127: J22.9 98.01,66.3 97.71,66.59 94.79,66.59 94.47,66.91 92.95,66.91 92.5,67.36 v6(92.5,70.02)
N4252662: length 6.6
  TOP w0.127: J22.6 103.17,67.1 103.56,67.48 107.23,67.48 v6(107.87,68.12)
N4252666: length 8.5
  TOP w0.127: J22.8 103.28,66.7 103.68,67.1 108.63,67.1 v6(109.65,68.12)
N4252670: length 8.1
  TOP w0.127: J22.10 103.38,66.3 103.68,66.59 109.52,66.59 v6(109.65,66.47)
